# Altium PCB 10515.0461_全联供输出板_V1.1_20200827_1P.PcbDoc (part 1 of 4)
Units mm, origin at the board's own origin, x right, y up, seen from the top; angles counter-clockwise.
Board outline 141.98 x 134.8 mm, 2 copper layers (Top Layer, Bottom Layer); 162 components, 136 nets, 665 pads, 421 vias.
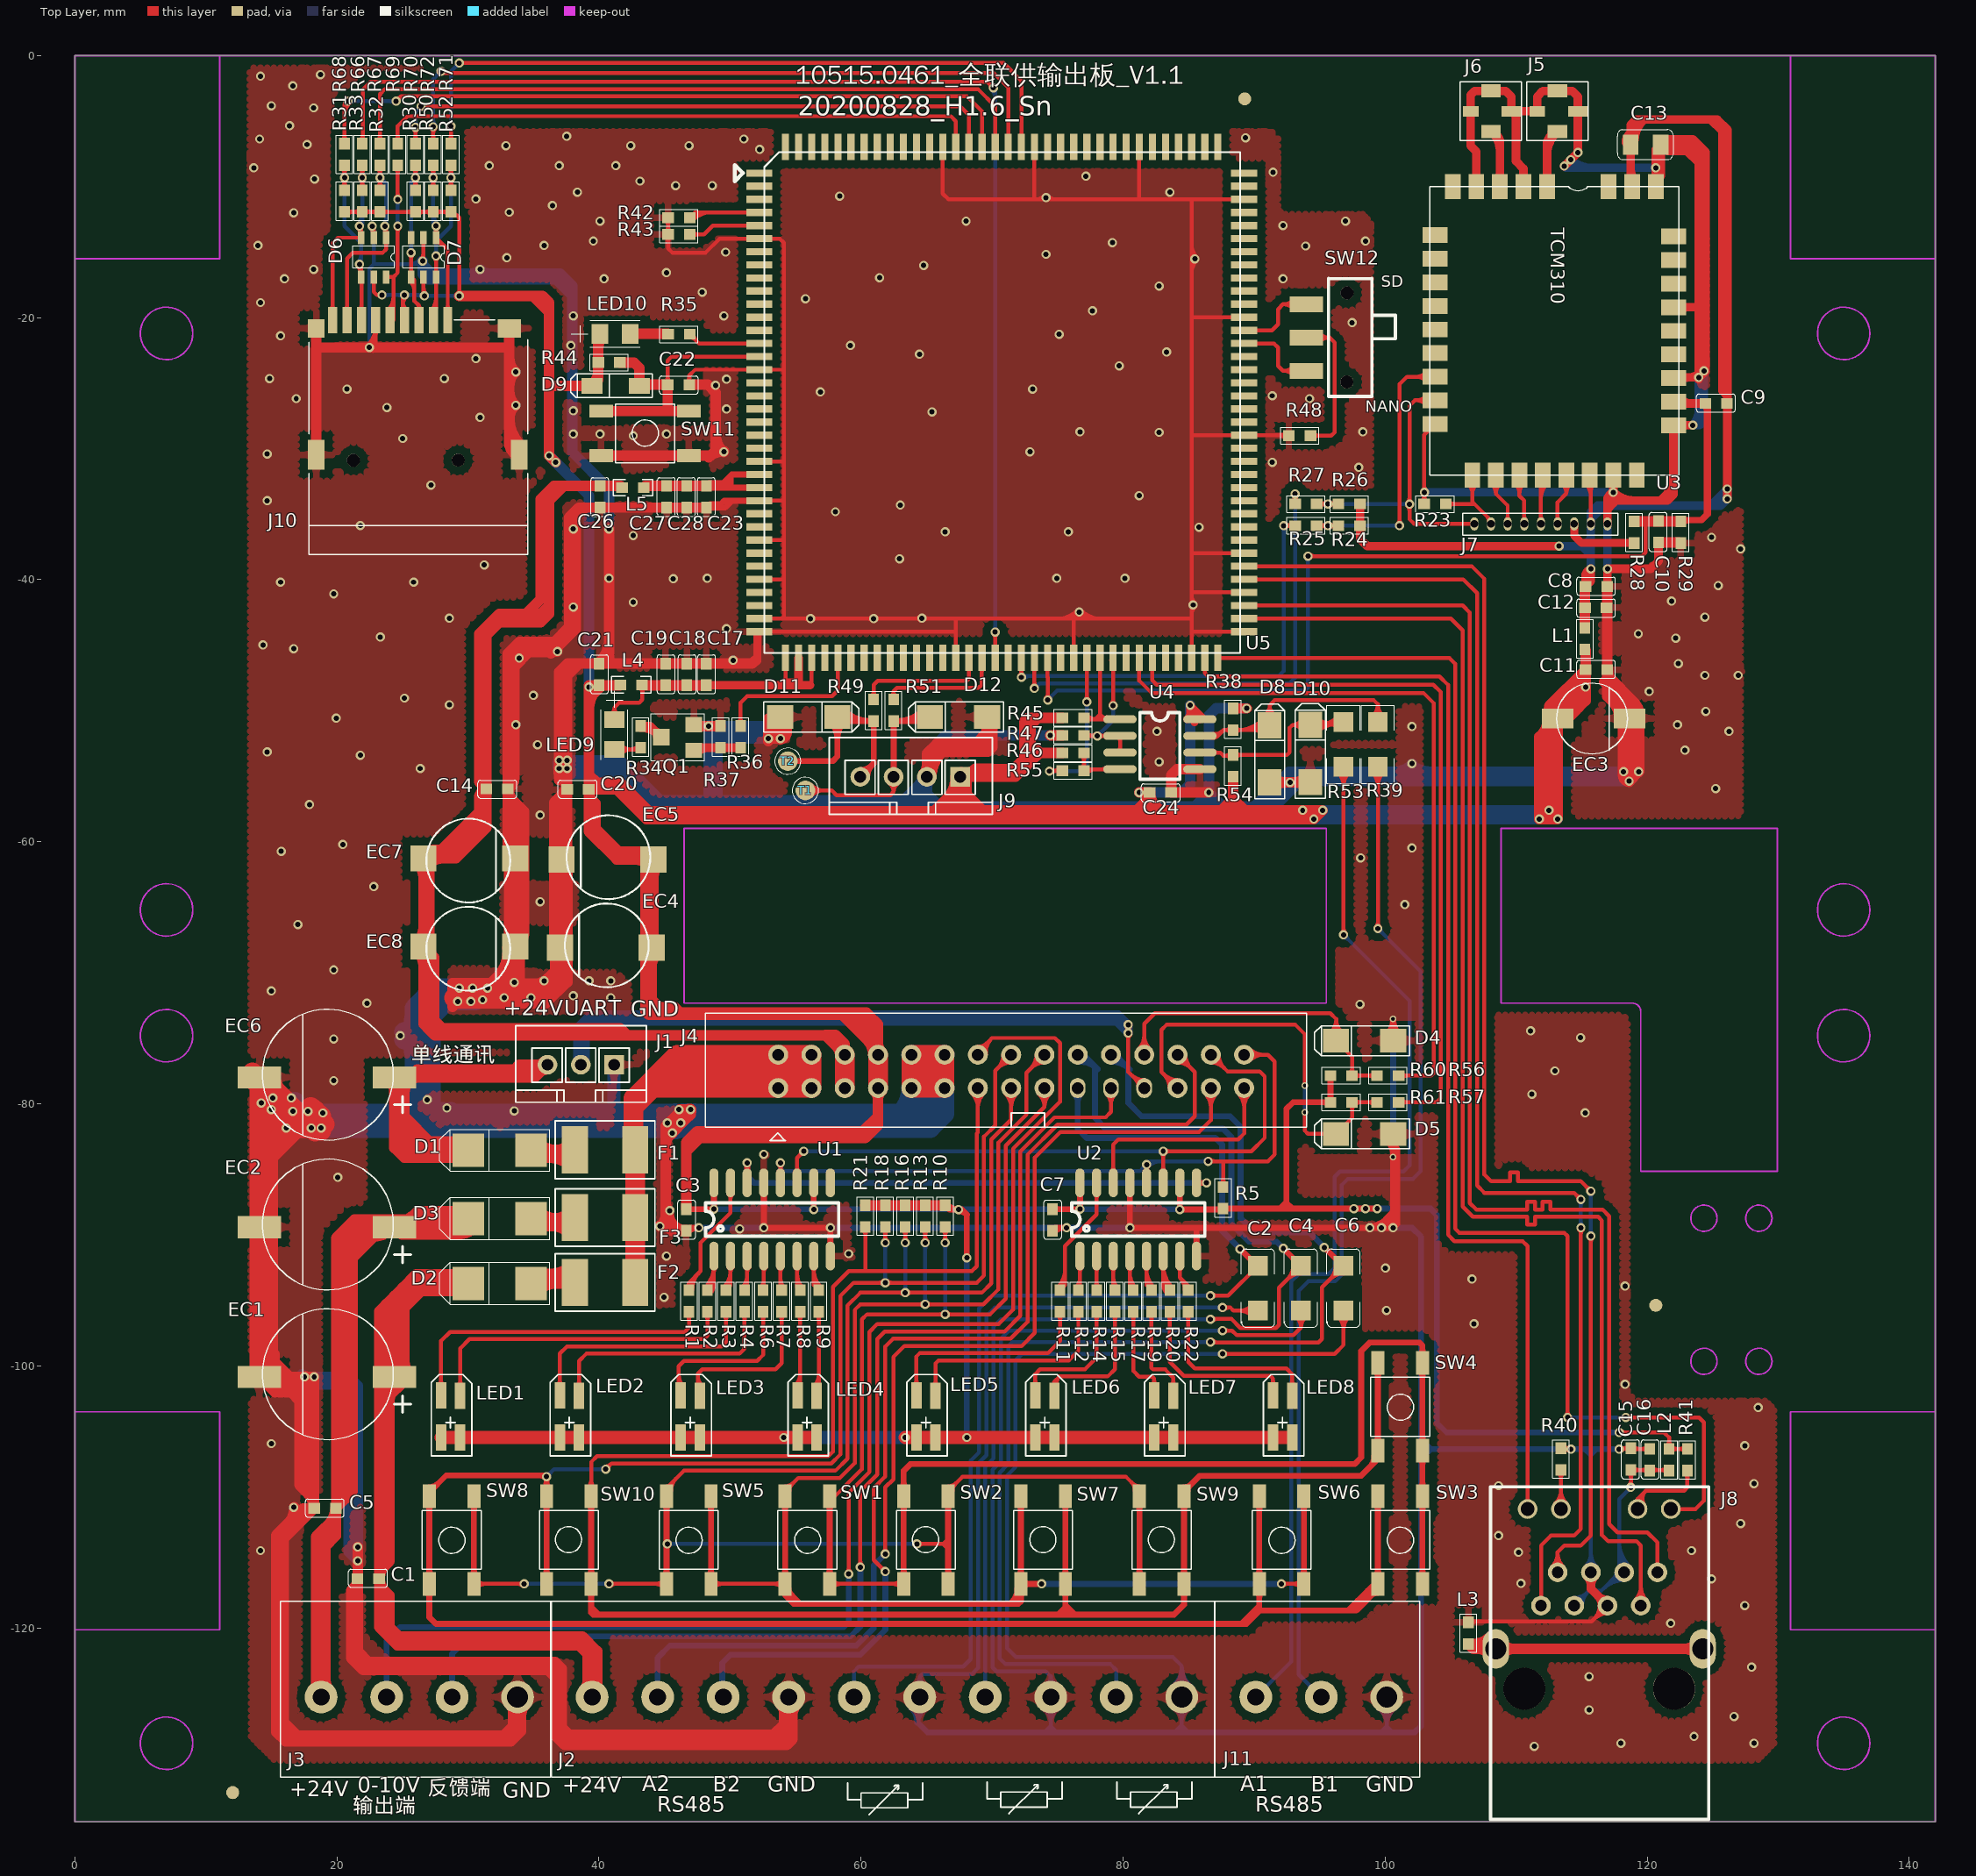
[diagram p0: Top Layer view]
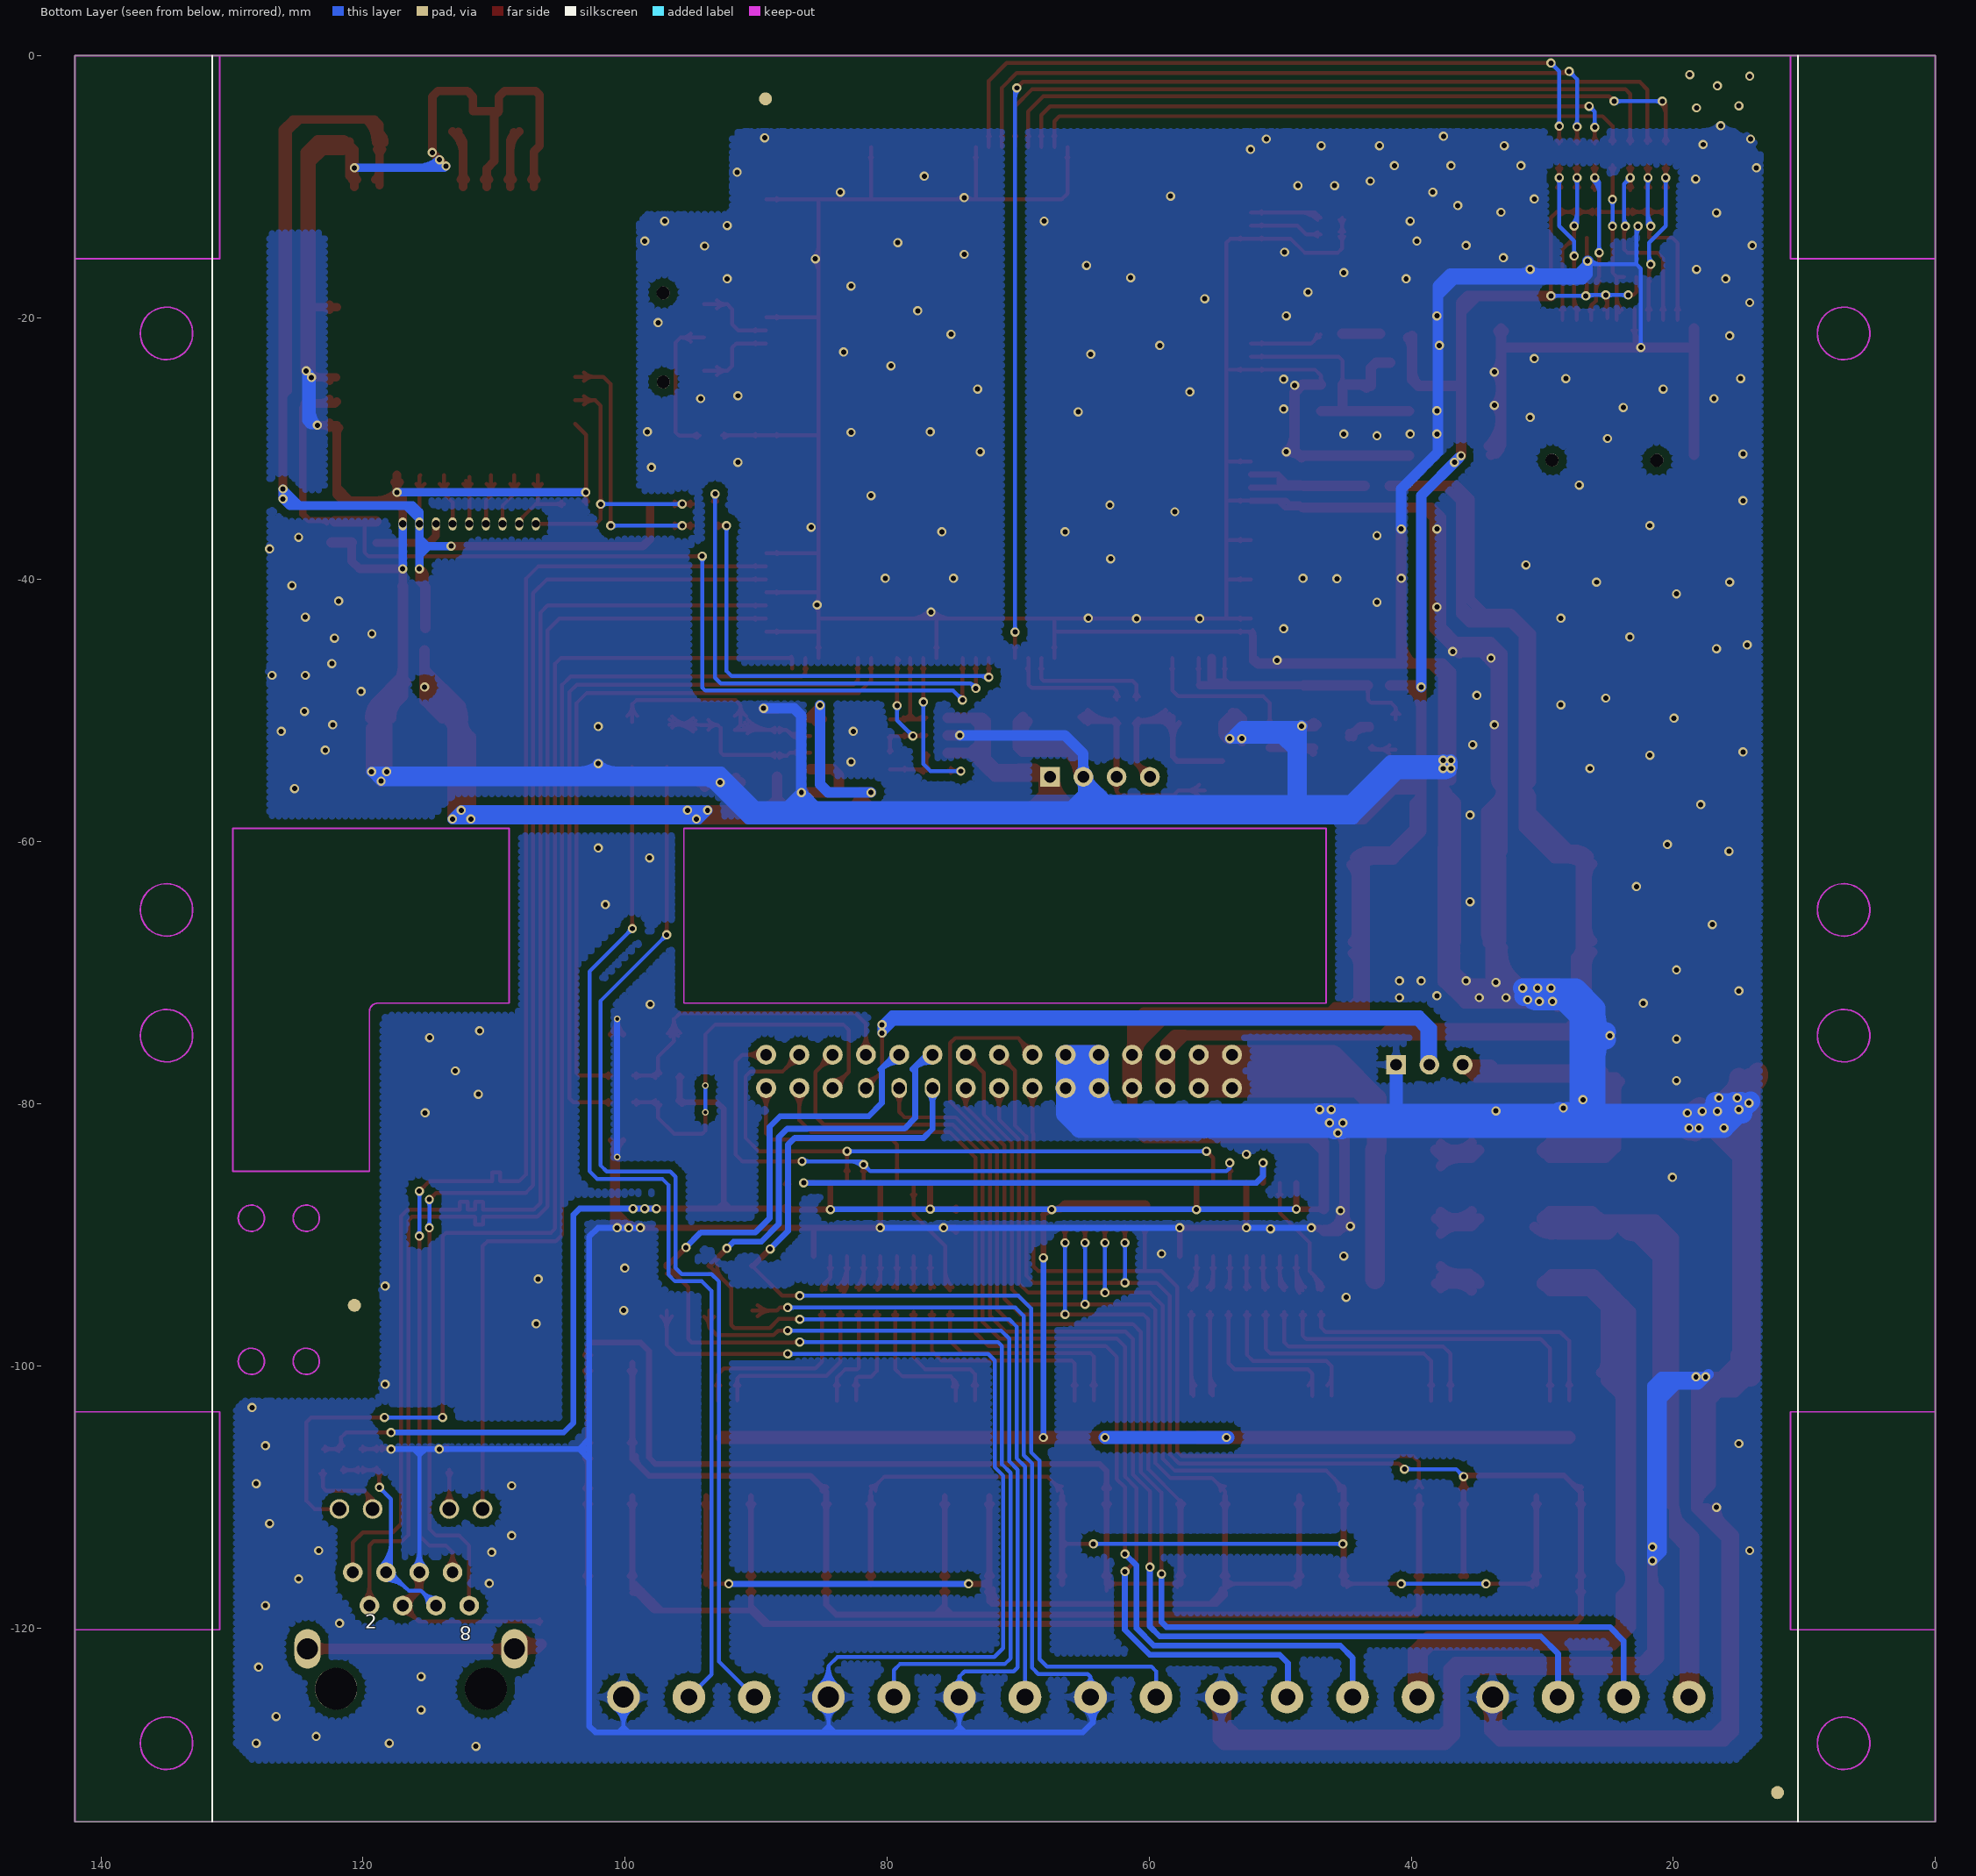
[diagram p1: Bottom Layer view, seen from below]
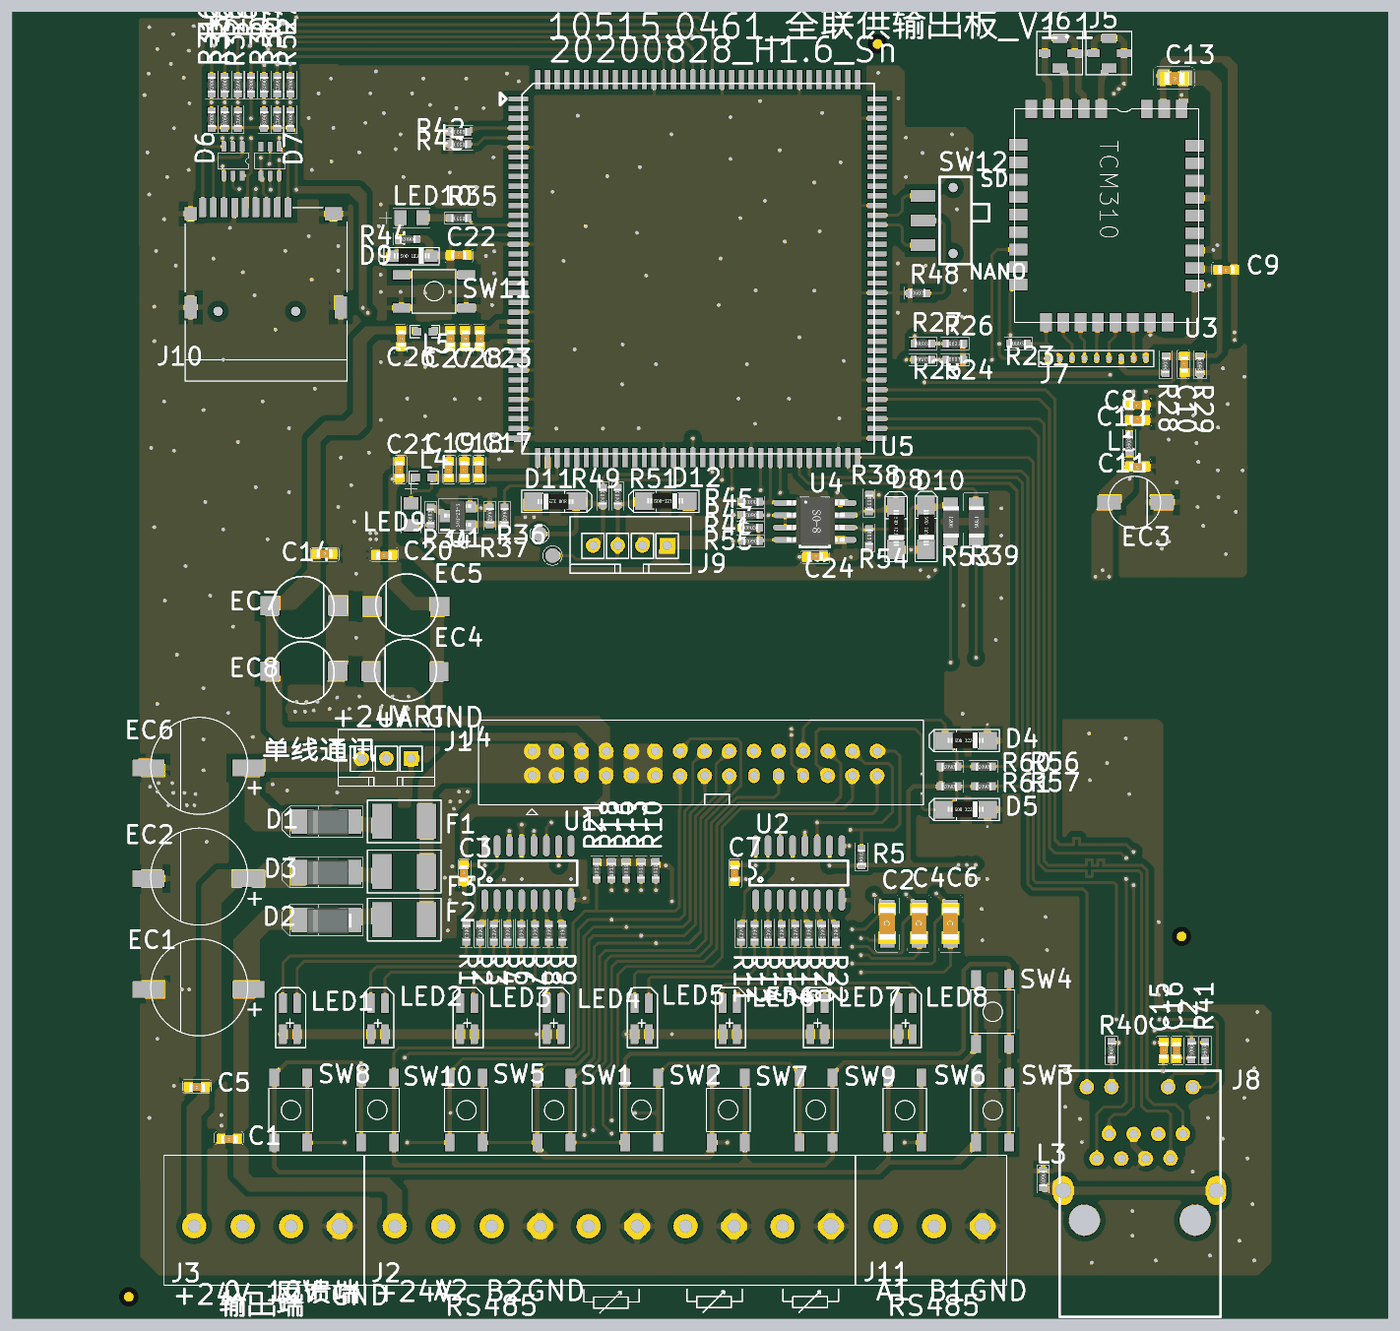
[diagram p5: 3D render of the assembled board from above, using the file's embedded part models]

## Layer stack, top to bottom
Top Layer: signal copper 0.0356
Dielectric: dielectric 0.32, FR-4, Dk 4.8
Bottom Layer: signal copper 0.0356

## Board outline
0,0 141.984,0 141.984,-134.8 0,-134.8 0,0

## Design rules (kind name [scope] priority, off if disabled: settings)
Clearance Clearance_1 [InPolygon] p1: gap=0.6
Clearance [All] p2: gap=0.254
HoleSize [All] p1 off: absolutevalues=TRUE maxlimit=2.54 minlimit=0.025 maxpercent=80.000 minpercent=20.000
HoleToHoleClearance [All] p1 off: gap=0.254 allowstackedmicrovias=TRUE
LayerPairs [All] p1 off: enforce=TRUE
MinimumSolderMaskSliver [All] p1 off: minsoldermaskwidth=0.254
NetAntennae [All] p1 off: netantennaetolerance=0
PolygonConnect PolygonConnect_1 [IsVia] p1: connectstyle=Direct reliefconductorwidth=0.254 reliefentries=4 polygonreliefangle="90 Angle"
PolygonConnect [All] p2: connectstyle=Relief reliefconductorwidth=0.5 reliefentries=4 polygonreliefangle="90 Angle"
RoutingVias [All] p1: holewidth=0.711 width=1.27 viastyle="Through Hole" minholewidth=0.711 minwidth=1.27 maxholewidth=0.711 maxwidth=1.27
SilkToSilkClearance [All] p1 off: silktosilkclearance=0.254
SilkscreenOverComponentPads [All] p1 off: minsilkscreentomaskgap=0.254
SolderMaskExpansion [All] p1: expansion=0.102
Width [All] p1: maxlimit=1.5 minlimit=0.3 preferedwidth=0.8
21 further rules are at their usual default settings.

## Classes and differential pairs
component class Mini_Mainboard_sch: C14 C17 C18 C19 C20 C21 C22 C23 C26 C27 C28 D6 D7 D9 D11 D12 EC4 EC5 EC7 EC8 J9 J10 L4 L5 LED9 LED10 Q1 R30 R31 R32 R33 R34 R35 R36 R37 R42 R43 R44 R48 R49 R50 R51 R52 R56 R57 R60 R61 R66 R67 R68 R69 R70 R71 R72 SW11 SW12 U5
component class Mini_Comm_sch: C8 C9 C10 C11 C12 C13 C15 C16 C24 D8 D10 EC3 J5 J6 J7 J8 J11 L1 L2 L3 R23 R24 R25 R26 R27 R28 R29 R38 R39 R40 R41 R45 R46 R47 R53 R54 R55 T1 T2 U3 U4
component class Connect_Interface: C1 C2 C3 C4 C5 C6 C7 C42 C43 C44 C45 C46 C50 CX1 CY1 CY2 CY3 CY4 D1 D2 D3 D4 D5 EC1 EC2 EC6 F1 F2 F3 J1 J2 J3 J4 LED1 LED2 LED3 LED4 LED5 LED6 LED7 LED8 R1 R2 R3 R4 R5 R6 R7 R8 R9 R10 R11 R12 R13 R14 R15 R16 R17 R18 R19 R20 R21 R22 RF1 RY1 SW1 SW2 SW3 SW4 SW5 SW6 SW7 SW8 SW9 SW10 TR1 U1 U2

## Components (designator, comment, footprint, x,y, rotation, side; value= is the part's Value field where it differs from the comment)
C1 "0.1uF/0603" CAP/SMT/0603C 21.59,-116.281 r0 top
C2 "1nF/1206" CAP/SMT/1206C 90.272,-92.329 r270 top
C3 "0.1uF/0603" CAP/SMT/0603C 46.609,-88.064 r270 top
C4 "1nF/1206" CAP/SMT/1206C 93.548,-92.329 r270 top
C5 "0.1uF/0603" CAP/SMT/0603C 18.288,-110.924 r0 top
C6 "1nF/1206" CAP/SMT/1206C 96.799,-92.329 r270 top
C7 "0.1uF/0603" CAP/SMT/0603C 74.549,-88.064 r270 top
C8 "10uF/0603" CAP/SMT/0603C 115.316,-40.566 r0 top
C9 "0.1uF/0603" CAP/SMT/0603C 124.46,-26.596 r0 top
C10 "0.1uF/0603" CAP/SMT/0603C 120.904,-37.137 r90 top
C11 "0.1uF/0603" CAP/SMT/0603C 115.316,-46.916 r0 top
C12 "0.1uF/0603" CAP/SMT/0603C 116.871,-42.09 r180 top
C13 "22uF/0805" CAP/SMT/0805C 121.031,-6.784 r180 top
C14 "0.1uF/0603" CAP/SMT/0603C 33.02,-55.91 r180 top
C15 "0.1uF/0603" CAP/SMT/0603C 118.803,-107.916 r90 top
C16 "10uF/0603" CAP/SMT/0603C 120.142,-106.362 r270 top
C17 "1uF/0603" CAP/SMT/0603C 48.133,-46.433 r270 top
C18 "0.1uF/0603" CAP/SMT/0603C 46.647,-46.433 r270 top
C19 "0.1uF/0603" CAP/SMT/0603C 45.035,-46.433 r270 top
C20 "1uF/0603" CAP/SMT/0603C 37.592,-56.06 r0 top
C21 "0.1uF/0603" CAP/SMT/0603C 39.955,-46.433 r270 top
C22 "0.1uF/0603" CAP/SMT/0603C 46.863,-25.072 r180 top
C23 "0.1uF/0603" CAP/SMT/0603C 48.26,-34.47 r90 top
C24 "0.1uF/0603" CAP/SMT/0603C 83.642,-56.185 r180 top
C26 "0.1uF/0603" CAP/SMT/0603C 40.132,-34.47 r90 top
C27 "0.1uF/0603" CAP/SMT/0603C 45.212,-34.47 r90 top
C28 "0.1uF/0603" CAP/SMT/0603C 46.736,-34.47 r90 top
D1 "1N5819" D/SMT/DO-214AC 34.798,-83.492 r0 top
D2 "1N5819" D/SMT/DO-214AC 34.798,-93.652 r0 top
D3 "1N5819" D/SMT/DO-214AC 34.798,-88.699 r0 top
D4 "SMF6.5CA/SOD-123" D/SMT/SOD123 96.012,-75.184 r0 top
D5 "SMF6.5CA/SOD-123" D/SMT/SOD123 96.012,-82.296 r0 top
D6 "SR05-4B/SOT-363" TSOT-6L 23.749,-13.896 r270 top
D7 "SR05-4B/SOT-363" TSOT-6L 27.559,-13.896 r270 top
D8 "SMF6.5CA/SOD-123" D/SMT/SOD123 91.186,-50.877 r270 top
D9 "1N4148/SOD-123" D/SMT/SOD-123 41.275,-25.199 r0 top
D10 "SMF6.5CA/SOD-123" D/SMT/SOD123 94.285,-50.851 r270 top
D11 "SMF6.5CA/SOD-123" D/SMT/SOD123 58.42,-50.472 r180 top
D12 "SMF6.5CA/SOD-123" D/SMT/SOD123 65.024,-50.472 r0 top
EC1 "220uF/50V" CAP/SMT/220UF/50V 24.384,-105.844 r180 top
EC2 "220uF/50V" CAP/SMT/220UF/50V 24.384,-94.414 r180 top
EC3 "47uF/16V" CAP/SMT/47uF/16V 113.157,-50.599 r0 top
EC4 "100uF/25V" CAP/SMT/100UF/25V 43.688,-68.202 r180 top
EC5 "100uF/25V" CAP/SMT/100UF/25V 43.815,-61.471 r180 top
EC6 "220uF/50V" CAP/SMT/220UF/50V 24.384,-82.984 r180 top
EC7 "100uF/25V" CAP/SMT/100UF/25V 26.924,-61.14 r0 top
EC8 "100uF/25V" CAP/SMT/100UF/25V 26.924,-67.871 r0 top
F1 "500MA" FUSE/100MA/SMC 42.799,-83.492 r180 top
F2 "500MA" FUSE/100MA/SMC 38.132,-93.652 r0 top
F3 "500MA" FUSE/100MA/SMC 38.132,-88.699 r0 top
J1 "CON/DIP/1X3PIN/2.54MM" CON/DIP/1×3PIN/2.54MM/插件端子 41.148,-77.015 r270 top
J2 "WJ305-5.0" CON/DIP/1×10PIN/5.0MM/WJ103-10P 61.976,-125.275 r180 top locked
J3 "WJ103-5.0" CON/DIP/1×4PIN/5.0MM/WJ103-4P 26.289,-125.275 r180 top locked
J4 "CON/DIP/2X15PIN" CON/DIP/2X15PIN/2.54MM 53.673,-78.793 r90 top
J5 "NC" W.FL.LP-3MM 113.157,-4.244 r270 top
J6 "Antena_W.FL-LP" W.FL.LP-3MM 108.077,-4.244 r270 top
J7 "CON/1X9PIN" CON/DIP/1×9PIN/1.27MM 116.967,-35.74 r180 top
J8 "MJ3A-B211-RSL15T022-1" RJ45-MJ3A-B211-RSL15T022-1 110.871,-110.924 r0 top locked
J9 "1X4PIN/2.54MM" CON/DIP/1×4PIN/2.54MM/插件端子 67.564,-55.044 r270 top locked
J10 "OTHER/MicroSD" TF-01A 26.162,-25.326 r0 top
J11 "WJ103-5.0" CON/DIP/1×3PIN/5.0MM/WJ103-3P 95.123,-125.275 r180 top locked
L1 "10uH/0603/磁珠" 0603R 115.243,-44.503 r90 top
L2 "220R/0603/磁珠" 0603R 121.666,-107.164 r270 top
L3 "10uH/0603/磁珠" 0603R 106.35,-120.396 r270 top
L4 "L/10uH" L/SMT/0603L 41.656,-48.001 r0 top
L5 "L/10uH" L/SMT/0603L 41.783,-32.946 r0 top
LED1 "WEJT910C-R3H4共阳" D/SMT/WEJT910C-R3H4 27.94,-105.463 r90 top
LED2 "WEJT910C-R3H4共阳" D/SMT/WEJT910C-R3H4 37.011,-105.463 r90 top
LED3 "WEJT910C-R3H4共阳" D/SMT/WEJT910C-R3H4 46.228,-105.463 r90 top
LED4 "WEJT910C-R3H4共阳" D/SMT/WEJT910C-R3H4 55.154,-105.463 r90 top
LED5 "WEJT910C-R3H4共阳" D/SMT/WEJT910C-R3H4 64.226,-105.463 r90 top
LED6 "WEJT910C-R3H4共阳" D/SMT/WEJT910C-R3H4 73.297,-105.463 r90 top
LED7 "WEJT910C-R3H4共阳" D/SMT/WEJT910C-R3H4 82.369,-105.463 r90 top
LED8 "WEJT910C-R3H4共阳" D/SMT/WEJT910C-R3H4 91.44,-105.463 r90 top
LED9 "WEJT81GC-0805" D/SMT/LED/0805 41.021,-53.012 r90 top
LED10 "WEJT81GC-0805" D/SMT/LED/0805 42.418,-21.389 r180 top
Q1 "NPN_SS8050" BJT/SMT/SOT-23 47.244,-53.012 r90 top
R1 "180R/0603" 0603R 46.863,-95.049 r270 top
R2 "180R/0603" 0603R 48.278,-95.049 r270 top
R3 "180R/0603" 0603R 49.693,-95.049 r270 top
R4 "180R/0603" 0603R 51.108,-95.049 r270 top
R5 "10K/0603" 0603R 87.63,-87.175 r90 top
R6 "180R/0603" 0603R 52.524,-95.049 r270 top
R7 "180R/0603" 0603R 53.939,-95.049 r270 top
R8 "180R/0603" 0603R 55.354,-95.049 r270 top
R9 "180R/0603" 0603R 56.769,-95.049 r270 top
R10 "10K/0603" 0603R 66.421,-88.572 r90 top
R11 "180R/0603" 0603R 75.184,-95.049 r270 top
R12 "180R/0603" 0603R 76.581,-95.049 r270 top
R13 "10K/0603" 0603R 64.897,-88.572 r90 top
R14 "180R/0603" 0603R 77.978,-95.049 r270 top
R15 "180R/0603" 0603R 79.375,-95.049 r270 top
R16 "10K/0603" 0603R 63.373,-88.572 r90 top
R17 "180R/0603" 0603R 80.772,-95.049 r270 top
R18 "10K/0603" 0603R 61.849,-88.572 r90 top
R19 "180R/0603" 0603R 82.169,-95.049 r270 top
R20 "180R/0603" 0603R 83.566,-95.049 r270 top
R21 "10K/0603" 0603R 60.325,-88.572 r90 top
R22 "180R/0603" 0603R 84.963,-95.049 r270 top
R23 "10K/0603" 0603R 103.803,-34.216 r0 top
R24 "10K/0603" 0603R 97.256,-35.877 r0 top
R25 "100R/0603" 0603R 93.954,-35.877 r0 top
R26 "10K/0603" 0603R 97.256,-34.216 r0 top
R27 "100R/0603" 0603R 93.954,-34.216 r0 top
R28 "100R/0603" 0603R 118.999,-36.375 r90 top
R29 "10K/0603" 0603R 122.555,-36.375 r90 top
R30 "10K/0603" 0603R 25.993,-11.102 r270 top
R31 "10K/0603" 0603R 20.574,-11.102 r270 top
R32 "10K/0603" 0603R 23.283,-11.102 r270 top
R33 "10K/0603" 0603R 21.929,-11.102 r270 top
R34 "1K/0603" 0603R 43.18,-51.996 r90 top
R35 "1K/0603" 0603R 46.101,-21.262 r180 top
R36 "4.7K/0603" 0603R 50.8,-51.996 r270 top
R37 "10K/0603" 0603R 49.276,-51.996 r270 top
R38 "10K/0603" 0603R 88.392,-50.648 r270 top
R39 "10R/1206" 1206R 99.441,-50.87 r270 top
R40 "430R/0603" 0603R 113.411,-107.114 r90 top
R41 "430R/0603" 0603R 123.063,-107.164 r90 top
R42 "1K/0603" 0603R 46.101,-12.372 r180 top
R43 "NC" 0603R 46.101,-13.642 r180 top
R44 "10K/0603" 0603R 40.767,-23.421 r180 top
R45 "10K/0603" 0603R 76.187,-50.533 r180 top
R46 "10K/0603" 0603R 76.187,-53.226 r0 top
R47 "10K/0603" 0603R 76.187,-51.879 r180 top
R48 "1K/0603" 0603R 93.472,-29.009 r0 top
R49 "100R/0603" 0603R 60.96,-49.964 r90 top
R50 "10K/0603" 0603R 27.347,-11.102 r270 top
R51 "100R/0603" 0603R 62.484,-49.964 r90 top
R52 "10K/0603" 0603R 28.702,-11.102 r270 top
R53 "10R/1206" 1206R 96.825,-50.876 r270 top
R54 "10K/0603" 0603R 88.392,-54.204 r270 top
R55 "100R/0603" 0603R 76.187,-54.572 r180 top
R56 "100R/0603" 0603R 100.203,-77.851 r180 top
R57 "100R/0603" 0603R 100.203,-79.883 r180 top
R60 "10K/0603" 0603R 96.647,-77.851 r180 top
R61 "10K/0603" 0603R 96.647,-79.883 r180 top
R66 "22R/0603" 0603R 21.929,-7.546 r270 top
R67 "22R/0603" 0603R 23.283,-7.546 r270 top
R68 "22R/0603" 0603R 20.574,-7.546 r270 top
R69 "22R/0603" 0603R 24.638,-7.546 r270 top
R70 "22R/0603" 0603R 25.993,-7.546 r270 top
R71 "22R/0603" 0603R 28.702,-7.546 r270 top
R72 "22R/0603" 0603R 27.347,-7.546 r270 top
SW1 "KAN4542-0381A" SWITCH/KAN4542 55.848,-113.464 r90 top
SW2 "KAN4542-0381A" SWITCH/KAN4542 64.999,-113.108 r270 top
SW3 "KAN4542-0381A" SWITCH/KAN4542 101.092,-113.464 r90 top
SW4 "KAN4542-0381A" SWITCH/KAN4542 101.092,-103.304 r90 top
SW5 "KAN4542-0381A" SWITCH/KAN4542 46.799,-113.464 r90 top
SW6 "KAN4542-0381A" SWITCH/KAN4542 92.043,-113.464 r90 top
SW7 "KAN4542-0381A" SWITCH/KAN4542 73.946,-113.108 r270 top
SW8 "KAN4542-0381A" SWITCH/KAN4542 28.702,-113.464 r90 top
SW9 "KAN4542-0381A" SWITCH/KAN4542 82.994,-113.108 r270 top
SW10 "KAN4542-0381A" SWITCH/KAN4542 37.751,-113.108 r270 top
SW11 "KAN4542-0381A" SWITCH/KAN4542 43.688,-28.882 r180 top
SW12 "K3-1280S-F2" SWITCH/K3-1280S-F2 93.98,-21.516 r270 top
T1 "TEST" TEST 55.753,-56.083 r0 top
T2 "TEST" TEST 54.407,-53.848 r0 top
U1 "SN74HC595" SOP-16 48.768,-91.62 r90 top
U2 "SN74HC595" SOP-16 76.708,-91.62 r90 top
U3 "TCM_310" TCM310 112.903,-21.008 r270 top
U4 "SP3485EN" SOIC-8 79.756,-50.648 r0 top
U5 "MCU/SMT/MYCY6UL" MYC140 70.732,-26.469 r270 top locked

## Footprints (in the part's own frame and the unit in brackets; to place one, negate y for a bottom-side part, rotate by r counter-clockwise, add the part's x,y. Pads: shape width x height; smd on the part's side, far side on the other; paste and mask are expansions set on the pad)
0603R [mil]
  rect 35x32 smd: 1(-32.5,0) 2(32.5,0)
  silkscreen extent -58,-25 58,25, body extent -33,-15 30,16, height 18
1206R [mm]
  rect 1.5x1.5 smd: 1(-0.02,0) 2(3.409,0)
  silkscreen extent -1.29,-1.27 4.68,1.27, body extent 0.13,-0.76 3.33,0.84, height 0.6
BJT/SMT/SOT-23 [mm] "transistor 1base 2emitter 3collector"
  rect 1.143x1.27 smd: 1(0,0) 2(1.95,0)
  rect 1.27x1.27 smd: 3(1,2.5)
  silkscreen extent -0.78,-0.8 2.78,3.26, body extent -0.38,-0.13 2.52,2.67, height 1.2
CAP/SMT/47uF/16V [mm]
  rect 2.4x1.5 smd: 1(0.01,0.017) 2(5.5,0.017)
  silkscreen extent -0.07,-2.7 5.33,2.7
CAP/SMT/100UF/25V [mm]
  rect 2x2 smd: 1(-0.325,-0.127) 2(6.675,-0.127)
  silkscreen extent -0.1,-3.49 6.29,2.91
CAP/SMT/220UF/50V [mm]
  rect 3.3x1.7 smd: 1(0,-5) 2(10.3,-5)
  silkscreen extent -1.27,-10.21 10.08,-0.21
CAP/SMT/0603C [mil]
  rect 35x32 smd: 1(-1,1.97) 2(64,1.97)
  silkscreen extent -28,-24 89,30, body extent -20,-20 82,19, height 35
CAP/SMT/0805C [mm]
  rect 1.2x1.524 smd: 1(0.01,0.01) 2(2.296,0.01)
  silkscreen extent -0.99,-1.13 3.32,1.15, body extent -0.38,-0.64 2.62,0.76, height 0.93
CAP/SMT/1206C [mm]
  rect 1.5x1.5 smd: 1(0.026,0.025) 2(3.455,0.025)
  silkscreen extent -1.25,-1.24 4.73,1.3, body extent -0.38,-0.89 3.82,0.91, height 0.95
CON/DIP/1×3PIN/2.54MM/插件端子 [mm]
  rect 1.5x1.5 hole 0.9: 1(0,0)
  round 1.5 hole 0.9: 2(0,-2.54) 3(0,-5.08)
  silkscreen extent -2.99,-7.5 2.86,2.46
CON/DIP/1×3PIN/5.0MM/WJ103-3P [mm]
  round 2.5 hole 1.6: 1(-5,0)
  round 2.5 hole 1.3: 2(0,0) 3(5,0)
  silkscreen extent -7.5,-7.3 8.1,6.1
CON/DIP/1×4PIN/2.54MM/插件端子 [mm]
  rect 1.5x1.5 hole 0.9: 1(0,0)
  round 1.5 hole 0.9: 2(0,-2.54) 3(0,-5.08) 4(0,-7.62)
  silkscreen extent -2.99,-10 2.86,2.46
CON/DIP/1×4PIN/5.0MM/WJ103-4P [mm]
  round 2.5 hole 1.6: 1(-7.5,0)
  round 2.5 hole 1.3: 2(-2.5,0) 3(2.5,0) 4(7.5,0)
  silkscreen extent -10,-7.3 10.6,6.1
CON/DIP/1×9PIN/1.27MM [mm]
  oval 0.6x1 hole 0.58: 1(0,0) 2(1.27,0) 3(2.54,0) 4(3.81,0) 5(5.08,0) 6(6.35,0) 7(7.62,0) 8(8.89,0) 9(10.16,0)
  silkscreen extent -0.81,-0.81 11.05,0.86
CON/DIP/1×10PIN/5.0MM/WJ103-10P [mm]
  round 2.5 hole 1.6: 1(-22.5,0)
  round 2.5 hole 1.3: 2(-17.5,0) 3(-12.5,0) 4(-7.5,0) 5(-2.5,0) 6(2.5,0) 7(7.5,0) 8(12.5,0) 9(17.5,0) 10(22.5,0)
  silkscreen extent -25,-7.3 25.63,6.1
CON/DIP/2X15PIN/2.54MM [mil]
  round 60 hole 35.43: 1(0,0) 2(100,0) 3(0,-100) 4(100,-100) 5(0,-200) 6(100,-200) 7(0,-300) 8(100,-300) 9(0,-400) 10(100,-400) 11(0,-500) 12(100,-500) 13(0,-600) 14(100,-600) 15(0,-700) 16(100,-700) 17(0,-800) 18(100,-800) 20(100,-900) 22(100,-1000) 24(100,-1100) 25(0,-1200) 26(100,-1200) 27(0,-1300) 28(100,-1300) 29(0,-1400) 30(100,-1400)
  oval 60x47.24 hole 35.43: 19(0,-900) 21(0,-1000) 23(0,-1100)
  silkscreen extent -158,-1588 225,218
D/SMT/DO-214AC [mil]
  rect 94.49x100 smd: 1(-187.98,-2) 2(1,-2)
  silkscreen extent -274,-65 56,61, body extent -190,-55 15,47, height 40
D/SMT/LED/0805 [mil]
  rect 50x60 smd: 1(2,-6) 2(92,-6)
  silkscreen extent -28,-46 178,34
D/SMT/SOD123 [mm]
  rect 2x1.8 smd: 1(0.229,0) 2(4.597,0)
  silkscreen extent -1.4,-1.14 5.84,1.14, body extent 0.51,-0.76 4.21,0.84, height 1.2
D/SMT/SOD-123 [mm]
  rect 1.6x1.2 smd: 1(-1.8,0) 2(1.8,0)
  silkscreen extent -3.43,-0.9 2.78,0.9, body extent -1.91,-0.76 1.79,0.84, height 1.2
D/SMT/WEJT910C-R3H4 [mm]
  rect 2x0.8 smd: 1(0,0) 2(3.2,0) 3(0,-1.46) 4(3.175,-1.46)
  silkscreen extent -1.4,-2.36 4.8,0.74
FUSE/100MA/SMC [mm]
  rect 2x3.6 smd: 1(0.033,0.018) 2(4.633,0.018)
  silkscreen extent -1.47,-2.18 6.13,2.22
L/SMT/0603L [mil]
  rect 35x32 smd: 1(-1,-1) 2(64,-1)
  silkscreen extent -28,-26 91,24
MYC140 [mm]
  rect 0.55x2 smd: 1(-17.5,-18.5) 2(-16.5,-18.5) 3(-15.5,-18.5) 4(-14.5,-18.5) 5(-13.5,-18.5) 6(-12.5,-18.5) 7(-11.5,-18.5) 8(-10.5,-18.5) 9(-9.5,-18.5) 10(-8.5,-18.5) 11(-7.5,-18.5) 12(-6.5,-18.5) 13(-5.5,-18.5) 14(-4.5,-18.5) 15(-3.5,-18.5) 16(-2.5,-18.5) 17(-1.5,-18.5) 18(-0.5,-18.5) 19(0.5,-18.5) 20(1.5,-18.5) 21(2.5,-18.5) 22(3.5,-18.5) 23(4.5,-18.5) 24(5.5,-18.5) 25(6.5,-18.5) 26(7.5,-18.5) 27(8.5,-18.5) 28(9.5,-18.5) 29(10.5,-18.5) 30(11.5,-18.5) 31(12.5,-18.5) 32(13.5,-18.5) 33(14.5,-18.5) 34(15.5,-18.5) 35(16.5,-18.5) 36(17.5,-18.5) 71(17.5,18.5) 72(16.5,18.5) 73(15.5,18.5) 74(14.5,18.5) 75(13.5,18.5) 76(12.5,18.5) 77(11.5,18.5) 78(10.5,18.5) 79(9.5,18.5) 80(8.5,18.5) 81(7.5,18.5) 82(6.5,18.5) 83(5.5,18.5) 84(4.5,18.5) 85(3.5,18.5) 86(2.5,18.5) 87(1.5,18.5) 88(0.5,18.5) 89(-0.5,18.5) 90(-1.5,18.5) 91(-2.5,18.5) 92(-3.5,18.5) 93(-4.5,18.5) 94(-5.5,18.5) 95(-6.5,18.5) 96(-7.5,18.5) 97(-8.5,18.5) 98(-9.5,18.5) 99(-10.5,18.5) 100(-11.5,18.5) 101(-12.5,18.5) 102(-13.5,18.5) 103(-14.5,18.5) 104(-15.5,18.5) 105(-16.5,18.5) 106(-17.5,18.5)